# Allegro board 08_041351d.brd (continued)
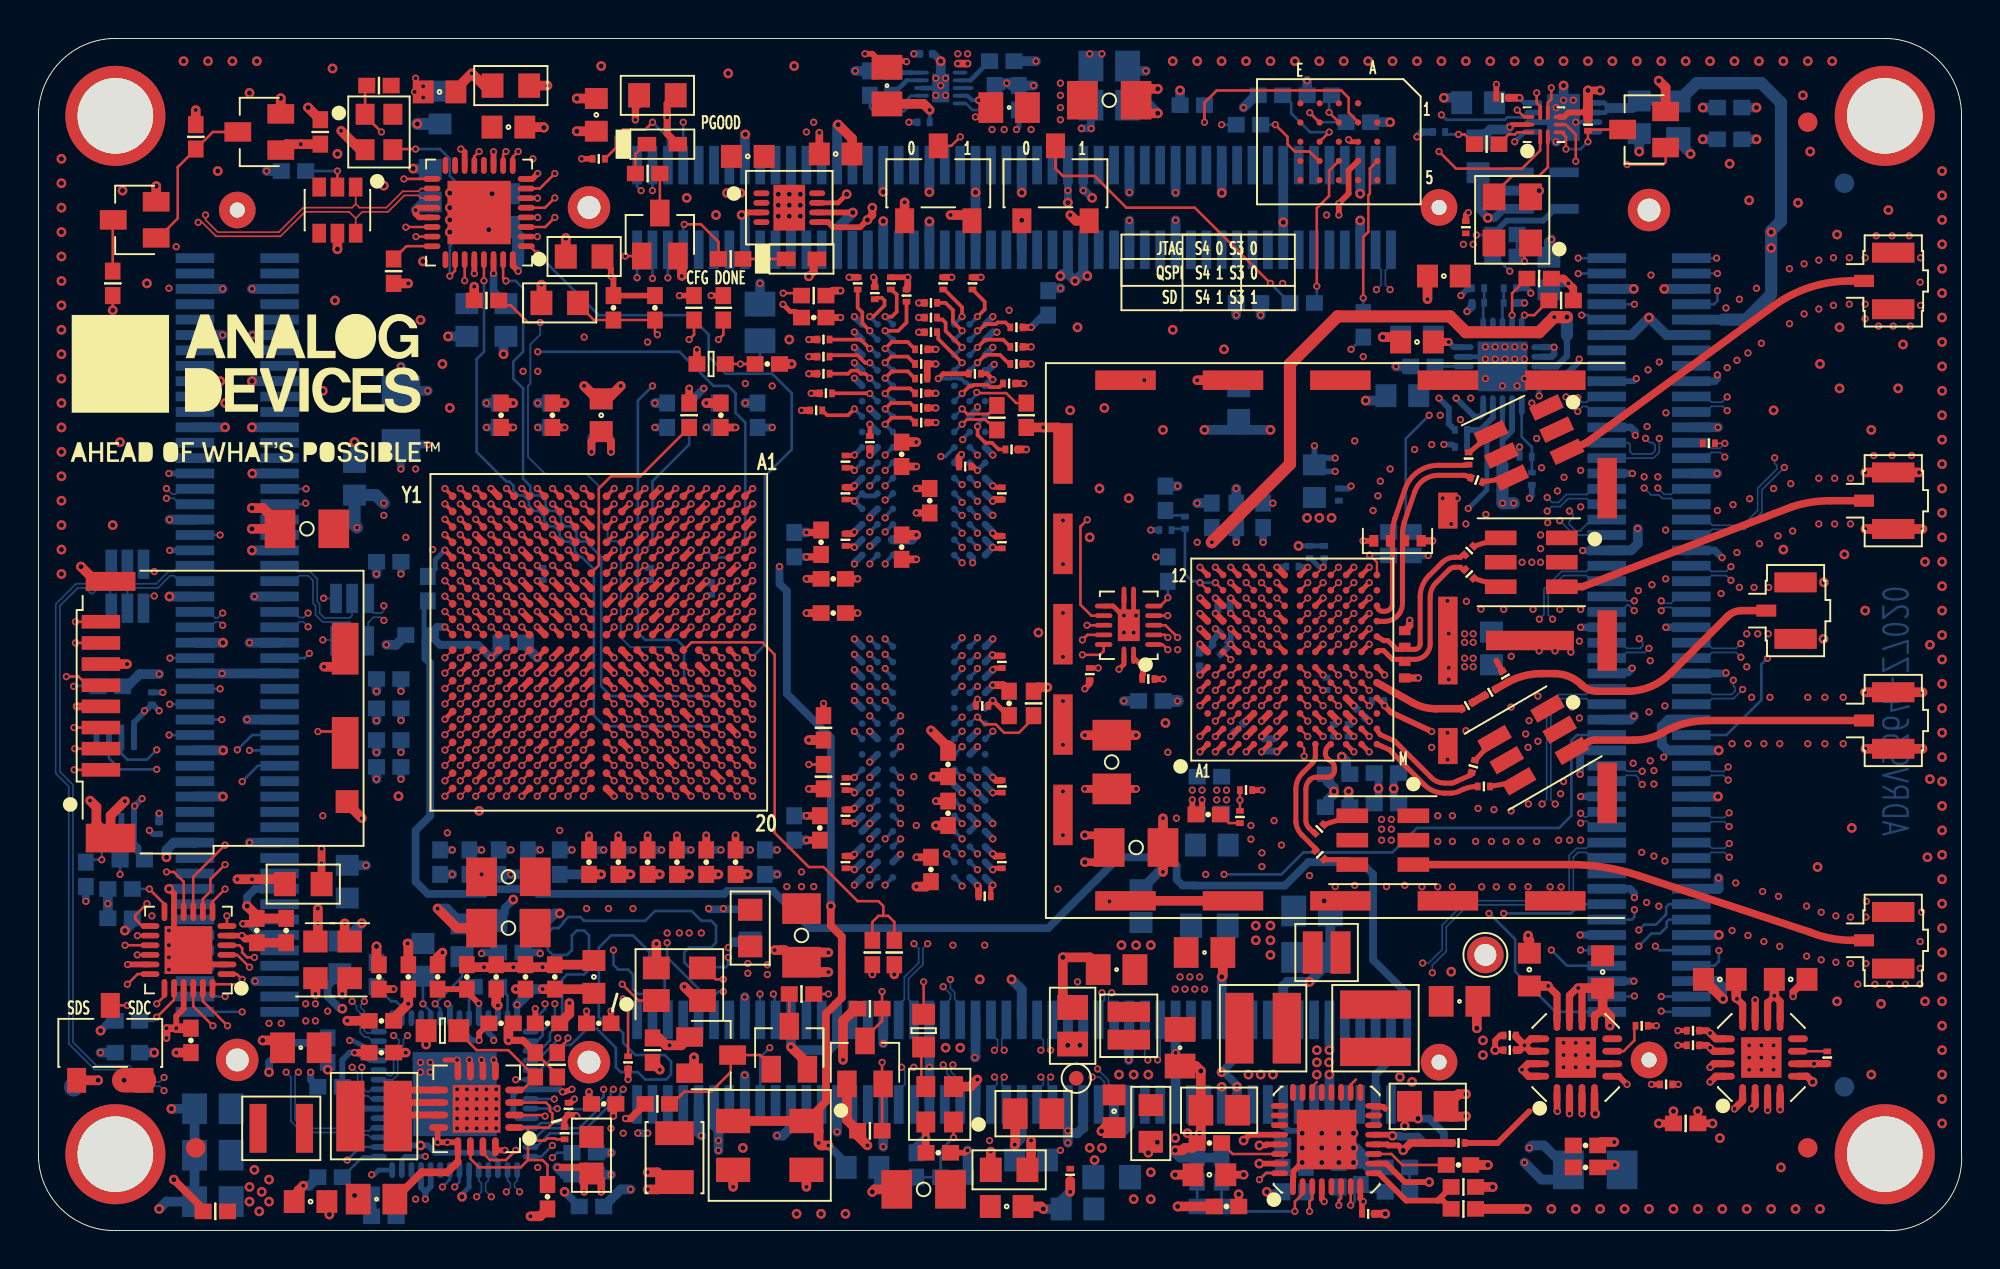
[diagram p0: board, top side]
## Routing (per net, layer and track width the routed paths; a pad name or vN(x,y) marks a point on that pad's centre or on a via; arc(x,y) is an arc through that point) (continued)
  BOTTOM w0.197: v1(43.23,46.79) 43.23,46.73 U3.R2 ; U2.R2 v1(43.23,29.97)
DDR3_A8: length 57.9
  TOP w0.197: U1.K1 v1(29.94,38.59) ; R145.1 49.2,48.3 49.2,47.9 v1(48.83,47.53)
  L6_SIGNAL w0.14: v1(48.83,47.53) 48.45,47.15 47.61,47.15 47.31,46.86 47.31,44.8 47.89,44.21 49.04,44.21 49.41,43.85 49.41,43.84 50.99,42.26 50.99,33.27 48.83,31.1 v1(48.83,30.83)
  L7_SIGNAL w0.14: v1(48.83,30.83) 49.32,30.33 50.74,30.33 51.49,31.08 51.49,32.62 51.74,32.87 53.14,32.87 53.27,33 53.27,33.89 53.14,34.02 50.22,34.02 49.84,34.4 48.75,34.4 48.72,34.37 45.55,34.37 44.88,35.03 42.09,35.03 38.91,38.21 33.77,38.21 33.71,38.15 33,38.15 32.7,38.46 32.7,38.74 32.49,38.95 30.3,38.95 v1(29.94,38.59)
  BOTTOM w0.197: U2.T8 48.83,30.77 v1(48.83,30.83) ; U3.T8 v1(48.83,47.53)
DDR3_A9: length 57.6
  TOP w0.197: v1(44.03,46.79) 44.7,46.79 45.14,47.23 R146.1 ; U1.J4 v1(30.74,36.19)
  L6_SIGNAL w0.14: v1(44.03,46.79) 43.99,46.76 43.99,46.34 43.89,46.23 43.88,46.23 43.66,46.02 43.66,45.79 43.38,45.5 43.16,45.5 43.15,45.49 43.08,45.49 42.86,45.28 42.86,45.21 42.79,45.13 42.79,44.98 42.58,44.77 42.28,44.77 41.98,45.07 41.33,45.07 41.09,44.83 41.09,33.89 42.22,32.76 43.09,32.76 44.65,31.19 44.65,30.51 44.29,30.14 44.2,30.14 v1(44.03,29.97)
  L7_SIGNAL w0.14: v1(30.74,36.19) 30.74,35.9 31.1,35.54 31.1,34.52 31.46,34.15 31.69,34.15 31.97,33.86 31.97,33.64 32.26,33.35 32.49,33.35 32.77,33.06 32.77,32.84 32.99,32.63 33.19,32.63 33.2,32.62 38.1,32.62 39.65,31.07 39.95,31.07 42.34,28.68 42.89,28.68 43.08,28.87 44.5,28.87 44.63,28.99 44.63,29.7 44.76,29.83 44.98,29.83 45.11,29.7 45.11,28.68 45.22,28.57 45.53,28.57 45.65,28.68 45.65,30.33 45.77,30.46 46.03,30.46 46.15,30.33 46.15,28.81 46.28,28.68 46.79,28.68 46.92,28.81 46.92,29.19 46.66,29.45 46.66,30.08 46.92,30.33 46.92,30.78 46.74,30.96 44.63,30.96 44.5,30.83 44.5,30.08 44.39,29.97 v1(44.03,29.97)
  BOTTOM w0.197: U2.R3 v1(44.03,29.97) ; v1(44.03,46.79) 44.03,46.73 U3.R3
DDR3_A10: length 53.5
  TOP w0.197: R147.1 49.97,43.86 49.46,43.86 49.35,43.98 48.62,43.98 48.57,43.92 48.42,43.92 v1(48.03,43.53) ; U1.F5 v1(33.14,35.39)
  L7_SIGNAL w0.14: v1(48.03,26.7) 48.53,27.2 49.78,27.2 49.99,27.42 49.99,27.42 50.09,27.52 50.09,28.05 50.34,28.3 50.98,28.3 51.23,28.05 51.23,27.52 51.49,27.27 51.74,27.27 52,27.52 52,28.41 51.74,28.66 49.84,28.66 49.78,28.73 48.02,28.73 47.4,29.35 47.4,30.68 46.85,31.22 43.36,31.22 43.11,31.48 42.09,31.48 41.71,31.86 41.71,32.87 39.91,34.67 39.78,34.67 39.42,35.03 37.29,35.03 37.29,35.03 33.79,35.03 33.42,35.39 v1(33.14,35.39)
  L12_SIGNAL w0.14: v1(48.03,26.7) 48.59,27.27 48.98,27.27 49.22,27.51 49.22,27.57 49.26,27.61 49.26,27.72 49.48,27.93 49.58,27.93 49.58,27.93 49.96,27.93 50.2,28.18 50.2,40.76 49.72,41.24 48.96,41.24 48.75,41.45 48.68,41.45 48.53,41.6 48.44,41.7 48.44,43.12 v1(48.03,43.53)
  BOTTOM w0.152: U3.L7 v1(48.03,43.53)
  BOTTOM w0.197: U2.L7 47.96,26.7 v1(48.03,26.7)
DDR3_A11: length 58.8
  TOP w0.197: v1(48.03,46.79) 47.55,47.27 47.55,47.86 47.17,48.24 R148.1 ; U1.G4 v1(32.34,36.19)
  L6_SIGNAL w0.14: v1(48.03,29.9) 48.59,30.47 48.98,30.47 49.19,30.68 49.19,30.96 51.26,33.03 51.26,40.01 51.72,40.47 51.72,40.77 51.26,41.23 51.26,43.14 50.43,43.97 50.43,44.1 49.91,44.61 49.08,44.61 48.95,44.48 48,44.48 47.58,44.91 47.58,46.34 48.03,46.79 v1(48.03,46.79)
  L7_SIGNAL w0.14: v1(48.03,29.9) 47.66,30.26 47.66,30.98 47.68,30.99 47.68,31.48 47.42,31.73 45.77,31.73 45.52,31.99 45.52,33.38 45.39,33.51 45.14,33.51 45.01,33.38 45.01,31.73 44.88,31.6 44.63,31.6 44.5,31.73 44.5,33.5 44.38,33.62 44.12,33.62 43.99,33.5 43.99,31.73 43.87,31.6 43.61,31.6 43.49,31.73 43.49,33.26 43.36,33.38 43.1,33.38 42.85,33.13 42.85,32.49 42.98,32.37 42.98,31.98 42.75,31.75 42.45,31.75 42.09,32.11 42.09,33.17 40.29,34.97 40.29,35.18 40.08,35.39 39.86,35.39 39.51,35.75 38.79,35.75 38.66,35.88 38.66,35.92 38.53,36.05 37.9,36.05 37.77,35.92 37.77,35.88 37.64,35.75 33.06,35.75 32.74,36.07 32.74,37.14 32.53,37.35 32.19,37.35 31.97,37.14 31.97,36.82 32.34,36.46 v1(32.34,36.19)
  BOTTOM w0.197: v1(48.03,46.79) 48.03,46.73 U3.R7 ; v1(48.03,29.9) 47.96,29.9 U2.R7
DDR3_A12: length 51.6
  TOP w0.197: v1(48.03,45.13) 46.79,46.37 46.79,46.65 R149.1 ; U1.E4 v1(33.94,36.19)
  L12_SIGNAL w0.14: v1(48.03,45.13) 47.61,45.13 47.17,44.69 47.17,40.52 47.28,40.4 47.28,40.1 47.17,39.99 47.17,32.62 47.3,32.49 48.06,32.49 48.57,31.99 48.57,31.08 48.46,30.98 48.46,28.74 v1(48.03,28.3)
  L13_SIGNAL w0.14: v1(48.03,28.3) 46.53,28.3 46.28,28.05 46.28,27.54 46.53,27.29 48.19,27.29 48.44,27.54 48.44,30.08 48.83,30.47 48.98,30.47 49.27,30.76 49.27,30.92 49.84,31.49 49.84,32.37 49.46,32.75 46.79,32.75 44.5,35.03 41.96,35.03 41.58,35.41 39.3,35.41 38.91,35.03 35.39,35.03 35.17,35.24 35.17,36.11 35.1,36.18 35.1,36.34 34.89,36.55 34.08,36.55 33.94,36.4 v1(33.94,36.19)
  BOTTOM w0.197: U3.N7 v1(48.03,45.13) ; U2.N7 47.96,28.3 v1(48.03,28.3)
DDR3_A13: length 54.7
  TOP w0.197: U1.D4 v1(34.74,36.19) ; v1(44.03,47.53) 44.38,47.53 44.63,47.78 44.63,48.69 R150.1
  L6_SIGNAL w0.14: v1(44.03,47.53) 44.03,47.3 43.66,46.94 43.66,46.72 43.17,46.23 42.64,46.23 42.58,46.29 42.28,46.29 42.21,46.23 41.09,46.23 40.45,45.59 40.45,43.79 40.55,43.69 40.55,43.39 40.45,43.3 40.45,33.12 41.84,31.73 43.11,31.73 44.03,30.81 v1(44.03,30.77)
  L13_SIGNAL w0.14: v1(34.74,36.19) 34.34,35.8 34.34,34.47 34.66,34.15 39.3,34.15 39.55,34.4 42.18,34.4 42.28,34.3 44.6,34.3 46.53,32.37 48.98,32.37 49.2,32.14 49.2,31.83 48.98,31.6 45.65,31.6 45.26,31.22 45.26,30.97 45.52,30.72 47.17,30.72 47.42,30.46 47.42,30.21 47.17,29.95 45.26,29.95 44.45,30.77 v1(44.03,30.77)
  BOTTOM w0.197: U3.T3 v1(44.03,47.53) ; U2.T3 v1(44.03,30.77)
DDR3_A14: length 55.6
  TOP w0.197: v1(48.03,47.53) 48.03,48.02 47.11,48.94 R151.1 ; U1.F4 v1(33.14,36.19)
  L6_SIGNAL w0.14: v1(48.03,47.53) 47.47,47.53 47.04,47.1 47.04,44.69 47.84,43.89 48.58,43.89 48.63,43.95 48.93,43.95 49.15,43.74 49.15,43.73 50.73,42.15 50.73,33.53 v1(48.03,30.83)
  L7_SIGNAL w0.14: v1(48.03,30.83) 48.06,30.86 48.06,31.35 48.31,31.6 48.57,31.6 48.58,31.62 49.2,31.62 49.46,31.87 49.46,32.24 49.2,32.49 49.2,33 49.46,33.26 49.46,33.39 49.08,33.76 48.82,33.76 48.69,33.64 48.69,32.25 48.55,32.11 48.27,32.11 48.13,32.25 48.13,33.64 48.01,33.76 47.7,33.76 47.58,33.64 47.58,32.25 47.44,32.11 47.16,32.11 47.02,32.25 47.02,33.64 46.89,33.76 46.59,33.76 46.46,33.64 46.46,32.25 46.32,32.11 46.04,32.11 45.9,32.25 45.9,33.64 45.7,33.83 45.33,33.83 45.27,33.89 43.23,33.89 42.83,33.48 42.47,33.48 40.01,35.94 39.78,35.94 39.17,36.56 38.79,36.56 38.53,36.81 37.9,36.81 37.64,36.56 33.5,36.56 v1(33.14,36.19)
  BOTTOM w0.197: U2.T7 48.03,30.77 v1(48.03,30.83) ; U3.T7 v1(48.03,47.53)
DDR3_BA0: length 57.4
  TOP w0.197: U1.L5 v1(28.34,35.39) ; v1(43.23,44.33) 43,44.56 42.75,44.56 42.59,44.72 42.26,44.72 42.1,44.56 R152.1
  L7_SIGNAL w0.14: v1(43.23,27.57) 42.98,27.57 42.47,27.06 42.47,27.06 42.34,26.93 41.84,26.93 41.71,27.06 41.71,27.54 41.07,28.18 40.06,28.18 38.3,29.94 38.3,30.21 38.42,30.33 38.91,30.33 39.04,30.21 39.04,30.08 39.17,29.95 39.93,29.95 40.06,29.83 40.06,29.7 39.93,29.57 39.56,29.57 39.42,29.43 39.42,29.32 39.55,29.19 40.57,29.19 40.69,29.06 40.69,28.87 40.64,28.81 40.31,28.81 40.18,28.68 40.31,28.56 41.07,28.56 41.2,28.43 41.45,28.43 41.57,28.54 41.57,28.7 41.48,28.79 41.48,28.79 41.01,29.25 41.01,29.25 39.93,30.34 39.42,30.34 38.97,30.79 38.21,30.79 38.15,30.84 38.15,31.1 38.28,31.22 38.28,31.48 38.16,31.6 37.64,31.6 37.52,31.48 37.52,31.15 37.39,31.03 32.99,31.03 32.77,31.24 32.77,31.52 32.47,31.83 31.39,31.83 31.17,32.04 31.17,32.34 31.29,32.46 31.29,32.62 31.17,32.75 31.04,32.75 30.92,32.63 30.59,32.63 30.37,32.84 30.37,33.14 30.53,33.3 30.53,33.48 30.38,33.64 30.29,33.64 30.09,33.43 29.86,33.43 29.6,33.17 29.35,33.17 29.26,33.26 29.26,33.69 29.63,34.06 29.63,34.38 29.27,34.74 28.7,34.74 28.34,35.1 v1(28.34,35.39)
  L12_SIGNAL w0.14: v1(43.23,44.33) 43.2,44.3 42.91,44.3 42.58,43.97 42.13,43.97 41.84,43.67 41.84,33.64 43.61,31.86 43.61,30.64 43.3,30.33 43.08,30.33 42.86,30.12 42.86,27.93 v1(43.23,27.57)
  BOTTOM w0.197: U3.M2 v1(43.23,44.33) ; U2.M2 v1(43.23,27.57)
DDR3_BA1: length 52.9
  TOP w0.197: U1.R4 v1(25.14,36.19) ; R153.1 50.47,45.07 50,45.54 49.24,45.54 v1(48.83,45.13)
  L7_SIGNAL w0.14: v1(48.83,28.3) 47.66,26.85 47.54,26.46 46.92,25.89 46.57,25.67 44.68,25.53 43.49,25.33 42.14,25.33 39.3,26.27 37.5,28.04 37.5,28.34 37.29,28.55 36.99,28.63 36.77,28.84 36.7,29.14 36.49,29.35 30.59,29.43 30.37,29.64 30.3,29.94 30.09,30.15 30.08,30.15 28.7,31.54 28.7,31.54 28.49,31.75 28.19,31.83 27.97,32.04 27.9,32.34 27.69,32.55 27.36,32.62 27.17,32.84 27.05,33.19 26.93,33.3 26.59,33.43 26.37,33.64 26.3,33.94 26.09,34.15 25.71,34.27 25.57,34.44 25.5,35.54 v1(25.14,36.19)
  L12_SIGNAL w0.14: v1(48.83,45.13) 47.63,43.94 47.63,34.44 49.84,32.24 49.84,31.49 49.27,30.92 49.27,30.12 49.24,30.09 49.24,28.71 v1(48.83,28.3)
  BOTTOM w0.197: U2.N8 48.76,28.3 v1(48.83,28.3) ; U3.N8 v1(48.83,45.13)
DDR3_BA2: length 54.3
  TOP w0.197: v1(44.03,44.33) 44.38,44.69 45.2,44.69 R154.1 ; U1.J5 v1(30.74,35.39)
  L7_SIGNAL w0.14: v1(44.03,27.57) 44.05,27.54 45.52,27.54 45.65,27.67 45.9,27.67 46.03,27.54 46.28,27.54 46.41,27.67 46.66,27.67 46.79,27.54 47.17,27.54 47.3,27.67 47.3,27.91 47.17,28.04 45.24,28.04 45.13,27.93 42.22,27.93 42.22,27.92 42.09,27.79 41.84,27.79 41.68,27.95 41.68,28.15 41.84,28.3 41.84,28.81 39.93,30.72 39.42,30.72 38.03,32.11 37.64,32.11 37.52,31.99 37.52,31.95 37.39,31.83 34.59,31.83 34.55,31.86 34.12,31.86 34.09,31.83 32.99,31.83 32.77,32.04 32.77,32.28 32.51,32.55 32.02,32.55 31.9,32.68 31.9,33.14 31.69,33.35 31.39,33.35 31.2,33.16 31.13,33.16 31.04,33.26 31.04,33.51 31.1,33.57 31.1,33.94 30.89,34.15 30.59,34.15 30.45,34.02 30.28,34.02 30.14,34.16 30.14,34.26 30.28,34.4 30.28,34.43 30.37,34.53 30.37,34.81 30.16,35.03 28.88,35.03 28.75,35.15 28.75,35.55 29,35.8 29.14,35.8 29.26,35.67 29.26,35.41 29.39,35.29 29.43,35.29 29.57,35.43 29.57,35.6 29.77,35.8 30.46,35.8 30.74,35.52 v1(30.74,35.39)
  L12_SIGNAL w0.14: v1(44.03,44.33) 43.62,43.92 43.36,43.92 43.33,43.89 43.08,43.89 42.85,43.67 42.85,41.76 43.74,40.88 43.99,40.88 44.5,40.37 44.5,33.89 44.88,33.51 44.88,28.42 v1(44.03,27.57)
  BOTTOM w0.197: U2.M3 v1(44.03,27.57) ; U3.M3 v1(44.03,44.33)
DDR3_CAS#: length 54.5
  TOP w0.197: v1(44.03,42.73) 44.33,43.03 45.33,43.03 R159.1 ; U1.P5 v1(25.94,35.39)
  L6_SIGNAL w0.14: v1(44.03,42.73) 44.38,42.38 44.38,42.09 44.39,42.08 44.39,38.08 44.51,37.95 46.15,37.95 46.28,37.83 46.28,33.76 46.29,33.75 46.29,27.72 44.83,26.25 v1(44.83,25.97)
  L7_SIGNAL w0.14: v1(25.94,35.39) 25.94,35.1 26.37,34.66 26.37,34.28 26.5,34.15 26.89,34.15 27.17,33.86 27.17,33.64 27.46,33.35 27.69,33.35 27.97,33.06 27.97,32.84 28.26,32.55 28.49,32.55 28.7,32.34 28.7,32.3 29.01,31.99 29.01,31.73 29.96,30.78 30.21,30.78 30.43,30.56 30.43,30.31 30.59,30.15 33.45,30.15 33.58,30.02 33.58,29.83 33.71,29.7 34.22,29.7 34.34,29.83 34.34,29.95 34.54,30.15 34.89,30.15 35.03,30.01 35.21,30.01 35.36,30.15 35.69,30.15 35.86,29.98 36.01,29.98 36.19,30.15 36.53,30.15 36.66,30.03 36.84,30.03 36.96,30.15 37.29,30.15 37.5,29.94 37.5,29.64 37.41,29.55 37.41,29.45 37.54,29.32 37.64,29.32 37.77,29.19 37.77,29.06 37.57,28.87 37.57,28.7 37.77,28.51 37.77,28.18 39.42,26.52 39.56,26.52 39.7,26.66 39.7,26.75 38.14,28.31 38.14,28.49 38.28,28.63 38.46,28.63 40.21,26.88 40.21,26.75 40.06,26.6 40.06,26.44 40.16,26.29 40.66,26.13 41.75,26.13 42.28,25.6 43.5,25.6 43.63,25.63 43.74,25.73 43.74,25.89 43.86,26.02 44.78,26.02 v1(44.83,25.97)
  BOTTOM w0.197: U3.K3 v1(44.03,42.73) ; U2.K3 v1(44.83,25.97)
DDR3_CK_N: length 59.4
  TOP w0.152: U1.M2 v1(27.54,37.79) ; R142.2 49.39,42.46 48.29,42.46 v1(48.03,42.73)
  L6_SIGNAL w0.13: v1(48.03,42.73) 48.14,42.85 48.48,43.19 48.97,43.19 50.22,41.94 50.22,40.6 50.24,40.58 50.24,33.73 49.41,32.9 47.56,32.9 47.35,32.69 47.35,25.97 47.63,25.69 47.75,25.69 v1(48.03,25.97)
  L13_SIGNAL w0.13: v1(27.54,37.79) 27.83,37.79 28.25,38.21 28.73,38.21 29.01,37.93 29.01,36.16 29.52,35.65 29.52,30.95 30,30.46 31.17,30.46 31.74,31.03 32.18,31.03 32.75,30.46 32.92,30.46 33.48,31.03 33.9,31.03 34.47,30.46 39.04,30.46 40.06,29.45 40.06,28.7 39.68,28.33 39.68,28.03 40.94,26.77 41.84,26.77 42.07,26.54 42.07,25.82 42.09,25.8 42.09,25.62 42.73,24.98 43.4,24.98 43.68,25.25 44.23,25.25 44.68,24.81 45.96,24.81 46.04,24.88 46.24,25.09 46.28,25.13 46.34,25.19 46.9,25.75 47.12,25.97 v1(48.03,25.97)
  BOTTOM w0.152: U3.K7 v1(48.03,42.73) ; U2.K7 v1(48.03,25.97)
DDR3_CK_P: length 60.3
  TOP w0.152: U1.L2 v1(28.34,37.79) ; R142.1 49.21,42.18 48.28,42.18 v1(48.03,41.93)
  L6_SIGNAL w0.13: v1(48.03,25.17) 47.75,25.44 47.52,25.44 47.09,25.86 47.09,32.8 47.45,33.16 49.3,33.16 49.98,33.84 49.98,40.48 49.96,40.5 49.96,41.84 49.3,42.5 49,42.5 48.97,42.47 48.39,42.47 48.19,42.27 48.19,42.09 v1(48.03,41.93)
  L13_SIGNAL w0.13: v1(48.03,25.17) 47.81,25.38 47.81,25.58 47.68,25.71 47.23,25.71 47.07,25.55 47.07,25.23 47.45,24.85 47.45,24.67 47.3,24.52 47.12,24.52 46.69,24.95 46.46,24.95 46.22,24.7 46.07,24.55 44.57,24.55 44.13,25 43.78,25 43.51,24.72 42.62,24.72 41.83,25.51 41.83,25.69 41.81,25.71 41.81,26.44 41.74,26.51 40.83,26.51 39.42,27.92 39.42,28.43 39.8,28.81 39.8,29.34 38.93,30.21 34.36,30.21 33.79,30.78 33.59,30.78 33.02,30.21 32.64,30.21 32.07,30.78 31.84,30.78 31.28,30.21 29.9,30.21 29.26,30.84 29.26,35.54 28.75,36.05 28.75,37.83 28.63,37.95 28.5,37.95 v1(28.34,37.79)
  BOTTOM w0.152: U3.J7 v1(48.03,41.93) ; U2.J7 v1(48.03,25.17)
DDR3_CKE: length 58.2
  TOP w0.197: R160.1 49.93,40.62 49.58,40.97 49.24,40.97 48.83,41.37 v1(48.83,41.82) ; U1.N3 v1(26.74,36.99)
  L7_SIGNAL w0.14: v1(26.74,36.99) 26.45,36.99 26.01,36.55 24.82,36.55 24.7,36.43 24.7,36.04 24.69,36.03 24.69,35.54 24.7,35.54 24.7,35.24 24.69,35.23 24.69,34.74 24.7,34.74 24.7,34.44 24.69,34.43 24.69,34.28 24.82,34.15 25.29,34.15 25.5,33.94 25.5,33.59 25.74,33.35 26.09,33.35 26.3,33.14 26.3,32.92 26.66,32.55 26.89,32.55 27.1,32.34 27.1,32.12 27.46,31.75 27.69,31.75 27.9,31.54 27.9,31.32 29.79,29.43 30.04,29.43 30.37,29.1 30.37,28.84 30.59,28.63 36.49,28.63 36.77,28.34 36.77,28.04 37.06,27.75 37.29,27.75 37.5,27.54 37.5,27.31 40,24.8 48.24,24.8 48.46,25.03 48.46,25.32 48.68,25.53 48.97,25.53 49.4,25.97 v1(49.63,25.97)
  L12_SIGNAL w0.14: v1(48.83,41.82) 48.83,42.15 48.96,42.27 50.6,42.27 50.98,41.89 50.98,39.99 50.47,39.48 50.47,27.79 49.63,26.95 v1(49.63,25.97)
  BOTTOM w0.197: U3.K9 48.83,41.94 v1(48.83,41.82) ; U2.K9 v1(49.63,25.97)
DDR3_CS#: length 57.8
  TOP w0.197: v1(43.23,43.53) 43.21,43.54 R163.1 ; U1.N1 v1(26.74,38.59)
  L6_SIGNAL w0.14: v1(43.23,26.77) 42.86,27.13 42.86,27.72 43.09,27.94 43.38,27.94 43.59,28.15 43.59,28.37 43.88,28.66 44.1,28.66 45.45,30.02 45.45,31.67 42.82,34.3 42.28,34.3 41.89,34.69 41.89,42.7 42.35,43.16 42.73,43.16 43,43.43 43.13,43.43 v1(43.23,43.53)
  L13_SIGNAL w0.14: v1(43.23,26.77) 43.59,26.4 44.15,26.4 44.46,26.71 44.46,26.92 44.68,27.13 45.01,27.13 45.14,27.25 45.14,27.8 45.01,27.93 43.88,27.93 43.66,27.72 43.66,27.47 43.36,27.16 42.09,27.16 40.82,28.43 40.82,29.57 38.79,31.6 38.15,31.6 37.57,31.03 34.59,31.03 34.37,31.24 34.37,31.46 34.09,31.75 31.39,31.75 31.17,31.54 31.17,31.48 31.17,31.48 31.17,30.97 31.04,30.84 30.53,30.84 30.3,31.08 30.3,35.54 30.09,35.75 29.86,35.75 29.57,36.04 29.57,36.24 29.31,36.5 29.31,38.13 28.34,39.1 27.23,39.1 26.74,38.6 v1(26.74,38.59)
  BOTTOM w0.197: U2.L2 v1(43.23,26.77) ; U3.L2 v1(43.23,43.53)
DDR3_DM0: length 30.3
  TOP w0.197: U1.A1 v1(37.14,38.59)
  L12_SIGNAL w0.14: v1(37.14,38.59) 37.14,38.84 37.26,38.97 40.58,38.97 40.7,38.84 40.7,34.16 40.97,33.9 40.97,32.22 41.96,31.22 41.96,25.76 42.22,25.51 43.97,25.51 44.73,24.75 47.55,24.75 47.68,24.62 47.68,23.71 47.55,23.58 47.3,23.58 47.17,23.46 47.17,20.81 47.3,20.68 47.83,20.68 48.03,20.88 v1(48.03,21.17)
  BOTTOM w0.197: U2.E7 v1(48.03,21.17)
DDR3_DM1: length 32.7
  TOP w0.197: U1.F1 v1(33.14,38.59)
  L12_SIGNAL w0.14: v1(33.14,38.59) 33.5,38.95 34.09,38.95 34.3,38.74 34.3,38.56 34.37,38.48 34.37,38.44 34.59,38.23 34.63,38.23 34.71,38.15 34.89,38.15 35.1,37.94 35.1,37.56 34.96,37.43 33.69,37.43 33.57,37.31 33.57,36.84 33.86,36.55 34.09,36.55 34.3,36.34 34.3,36.04 34.26,36 34.26,35.57 34.3,35.54 34.3,31.32 34.37,31.24 35.04,30.58 35.34,30.58 35.97,29.94 35.97,29.64 36.19,29.43 36.41,29.43 36.77,29.06 36.77,28.84 36.99,28.63 37.29,28.63 37.34,28.68 37.48,28.68 39.09,30.29 39.59,30.29 40.3,29.59 40.3,27.78 40.19,27.67 40.19,27.15 40.3,27.05 40.3,26.38 39.68,25.76 39.68,24.07 42.22,21.53 43.4,21.53 44.03,20.9 v1(44.03,20.37)
  BOTTOM w0.197: U2.D3 v1(44.03,20.37)
DDR3_DM2: length 30.5
  TOP w0.197: U1.T1 v1(24.34,38.59)
  L15_SIGNAL w0.14: v1(24.34,38.59) 24.77,38.15 26.81,38.15 27.1,38.44 27.1,39.35 27.22,39.48 30.27,39.48 30.41,39.33 30.64,39.33 30.78,39.48 38.28,39.48 40.19,37.57 42.58,37.57 42.64,37.63 44.69,37.63 45.01,37.95 45.77,37.95 46.28,38.46 46.28,39.73 46.41,39.86 47.17,39.86 47.3,39.73 47.3,38.21 47.55,37.95 47.94,37.95 v1(48.03,37.87)
  BOTTOM w0.197: U3.E7 48.03,37.93 v1(48.03,37.87)
DDR3_DM3: length 30.3
  TOP w0.197: U1.Y1 v1(21.14,38.59)
  L7_SIGNAL w0.14: v1(44.03,37.07) 42.72,38.37 42.28,38.37 42.06,38.58 42.06,39.03 40.34,40.75 38.69,42.4 30.78,42.4 30.64,42.54 30.64,42.64 30.5,42.78 30.22,42.78 30.08,42.64 30.08,42.54 29.94,42.4 29.66,42.4 29.52,42.54 29.52,42.78 29.4,42.91 29.09,42.91 28.96,42.78 28.96,42.54 28.82,42.4 28.55,42.4 28.41,42.54 28.41,42.64 28.27,42.78 27.99,42.78 27.85,42.64 27.85,42.54 27.71,42.4 25.96,42.4 24.31,40.75 22.28,40.75 21.14,39.61 v1(21.14,38.59)
  BOTTOM w0.197: U3.D3 44.03,37.13 v1(44.03,37.07)
DDR3_DQ0: length 30.5
  TOP w0.197: U1.C3 v1(35.54,36.99)
  L6_SIGNAL w0.14: v1(44.83,21.17) 45.36,20.63 47.42,20.63 47.55,20.76 47.55,21.44 47.42,21.57 44.63,21.57 43.86,20.8 41.59,20.8 39.04,23.35 39.04,27.16 38.43,27.77 38.43,31.41 37.29,32.55 36.44,32.55 36.37,32.63 36.19,32.63 35.97,32.84 35.97,36.58 35.56,36.99 v1(35.54,36.99)
  BOTTOM w0.197: U2.E3 v1(44.83,21.17)
DDR3_DQ1: length 30.3
  TOP w0.197: v1(36.34,36.99) U1.B3
  L16_SIGNAL w0.14: v1(36.34,36.99) 36.34,36.98 36.76,36.56 39.04,36.56 39.42,36.18 39.42,31.73 39.68,31.48 41.71,31.48 41.84,31.35 41.84,29.06 41.71,28.94 39.68,28.94 39.42,28.68 39.42,28.05 41.96,25.51 41.96,22.71 42.34,22.33 45.65,22.33 46.15,22.84 47.17,22.84 48.03,21.98 v1(48.03,21.97)
  BOTTOM w0.197: U2.F7 v1(48.03,21.97)
DDR3_DQ2: length 30.4
  TOP w0.197: U1.A2 v1(37.14,37.79)
  L6_SIGNAL w0.14: v1(43.23,21.97) 42.79,22.4 42.28,22.4 41.04,23.65 41.04,26.18 38.96,28.26 38.96,31.69 37.78,32.86 37.78,33.51 37.52,33.78 37.52,38.21 37.64,38.34 37.84,38.34 37.94,38.24 37.94,36.18 38.07,36.05 38.36,36.05 38.48,36.18 38.48,38.52 37.8,39.2 36.43,39.2 35.97,38.74 35.97,38.36 36.19,38.15 36.77,38.15 v1(37.14,37.79)
  BOTTOM w0.197: U2.F2 v1(43.23,21.97)
DDR3_DQ3: length 30.2
  TOP w0.197: U1.A4 v1(37.14,36.19)
  L16_SIGNAL w0.14: v1(48.83,21.97) 48.43,21.57 41.96,21.57 41.45,22.08 41.45,25 39.04,27.41 39.04,29.19 39.3,29.45 41.33,29.45 41.45,29.57 41.45,30.97 41.33,31.1 39.3,31.1 39.04,31.35 39.04,36.05 38.9,36.19 v1(37.14,36.19)
  BOTTOM w0.197: U2.F8 v1(48.83,21.97)
DDR3_DQ4: length 30.3
  TOP w0.197: U1.D3 v1(34.74,36.99)
  L6_SIGNAL w0.14: v1(34.74,36.99) 34.74,37.19 34.97,37.43 34.97,37.51 35.1,37.64 35.1,37.94 35.39,38.23 35.61,38.23 35.9,37.94 35.9,37.7 36.17,37.43 36.5,37.43 36.76,37.17 36.76,33.64 37.01,33.38 37.39,33.38 37.52,33.26 37.52,32.75 38.53,31.73 38.54,31.73 38.69,31.58 38.69,28.02 39.42,27.29 39.42,24.24 42.09,21.57 43.61,21.57 43.74,21.7 43.74,22.59 43.87,22.71 44.25,22.71 44.38,22.59 44.38,22.46 44.5,22.33 46.15,22.33 46.28,22.46 46.28,22.97 46.15,23.1 45.3,23.1 v1(44.83,23.57)
  BOTTOM w0.197: U2.H3 v1(44.83,23.57)
DDR3_DQ5: length 30.2
  TOP w0.197: U1.D1 34.34,38.19 34.74,38.58 v1(34.74,38.59)
  L6_SIGNAL w0.14: v1(34.74,38.59) 34.74,39.36 35.1,39.73 38.41,39.73 39.02,39.12 39.02,32.9 39.14,32.77 39.42,32.77 39.55,32.65 39.55,30.84 39.8,30.59 40.82,30.59 41.57,29.84 41.57,25.78 42.22,25.13 43.23,25.13 43.99,24.37 46.41,24.37 47.57,23.2 48.46,23.2 v1(48.83,23.57)
  BOTTOM w0.197: U2.H8 v1(48.83,23.57)
DDR3_DQ6: length 30.4
  TOP w0.197: U1.C1 v1(35.54,38.59)
  L6_SIGNAL w0.14: v1(35.54,38.59) 35.54,39.2 35.8,39.47 37.91,39.47 38.75,38.63 38.75,35.5 38.05,34.8 38.05,32.98 39.23,31.8 39.23,28.5 39.42,28.3 40.57,28.3 40.69,28.43 40.69,29.19 40.57,29.32 40.06,29.32 39.93,29.45 39.93,29.7 40.18,29.95 41.05,29.95 41.3,29.7 41.3,24.52 41.72,24.1 42.74,24.1 42.85,23.98 43.49,23.98 43.59,23.88 43.59,23.13 v1(43.23,22.77)
  BOTTOM w0.197: U2.G2 v1(43.23,22.77)
DDR3_DQ7: length 30.6
  TOP w0.197: U1.E1 v1(33.94,38.59)
  L6_SIGNAL w0.14: v1(48.03,23.57) 48.19,23.57 48.31,23.69 48.31,24.62 48.19,24.75 44.25,24.75 43.49,25.51 42.22,25.51 41.84,25.89 41.84,30.33 41.14,31.03 41.14,31.48 39.28,33.33 39.28,39.24 38.41,40.11 34.72,40.11 33.94,39.33 v1(33.94,38.59)
  BOTTOM w0.197: U2.H7 v1(48.03,23.57)
DDR3_DQ8: length 33.1
  TOP w0.197: U1.E2 v1(33.94,37.79)
  L6_SIGNAL w0.14: v1(33.94,37.79) 34,37.79 34.34,37.45 34.37,37.41 34.37,36.04 34.59,35.83 34.95,35.83 35.1,35.67 35.17,35.6 35.17,32.04 35.46,31.75 37.5,31.75 38.16,31.09 38.16,27.54 38.41,27.29 38.41,23.35 39.82,21.93 40.08,21.93 40.29,21.72 40.29,21.59 41.96,19.93 47.05,19.93 47.08,19.95 49.11,19.95 49.21,20.05 49.21,20.55 49.07,20.68 48.34,20.68 v1(48.03,20.37)
  BOTTOM w0.197: U2.D7 v1(48.03,20.37)
DDR3_DQ9: length 32.9
  TOP w0.197: U1.E3 v1(33.94,36.99)
  L12_SIGNAL w0.14: v1(44.83,20.37) 45.26,20.8 45.26,21.32 45.48,21.53 45.73,21.53 45.89,21.37 46.08,21.37 46.17,21.46 46.17,21.49 46.15,21.5 46.15,22.84 46.03,22.97 45.52,22.97 45.39,22.84 45.39,21.95 45.01,21.57 44.25,21.57 44.12,21.7 43.99,21.7 43.59,22.11 43.59,22.12 43.38,22.33 41.84,22.33 40.57,23.6 40.57,27.16 40.46,27.26 40.46,27.56 40.57,27.67 40.57,29.83 39.42,30.97 38.79,30.97 38.53,30.72 38.53,30.46 37.5,29.43 36.99,29.43 36.77,29.64 36.77,29.88 36.39,30.27 36.35,30.27 35.77,30.84 35.3,30.84 35.1,31.04 35.1,36.18 35.1,36.18 35.1,36.34 34.89,36.55 34.66,36.55 34.22,36.99 v1(33.94,36.99)
  BOTTOM w0.197: U2.C3 v1(44.83,20.37)
DDR3_DQ10: length 33
  TOP w0.197: U1.G3 v1(32.34,36.99)
  L12_SIGNAL w0.14: v1(48.83,19.59) 48.46,19.95 47.08,19.95 47.04,19.92 44.98,19.92 44.98,19.93 44.68,19.93 44.67,19.92 43.87,19.92 43.66,20.12 43.66,20.5 43.44,20.73 42.34,20.73 40.46,22.61 39.91,22.61 39.7,22.82 39.7,23.37 39.41,23.66 39.41,25.87 39.92,26.39 39.92,28.18 39.3,28.81 38.27,28.81 37.29,27.83 36.99,27.83 36.77,28.04 36.77,28.34 36.49,28.63 36.19,28.63 35.97,28.84 35.97,29.14 35.69,29.43 35.39,29.43 35.17,29.64 35.17,29.88 34.03,31.03 33.79,31.03 33.5,31.32 33.5,36.34 33.28,36.55 32.95,36.55 32.51,36.99 v1(32.34,36.99)
  BOTTOM w0.197: v1(48.83,19.59) 48.8,19.59 U2.C8
DDR3_DQ11: length 32.7
  TOP w0.197: U1.H3 v1(31.54,36.99)
  L12_SIGNAL w0.14: v1(31.54,36.99) 31.54,36.7 31.68,36.55 31.69,36.55 31.9,36.34 31.9,36.34 31.93,36.3 31.93,31.22 31.55,30.84 31.55,30.59 31.68,30.46 32.06,30.46 32.37,30.15 32.63,30.15 32.97,30.49 33.17,30.49 33.58,30.08 33.58,29.22 33.5,29.14 33.5,28.92 33.79,28.63 34.98,28.63 35.1,28.5 35.1,27.55 35.1,27.54 35.1,27.32 35.39,27.03 35.61,27.03 35.9,26.74 35.9,26.52 36.19,26.23 37.29,26.23 37.5,26.44 37.5,26.61 37.64,26.76 38.42,26.76 38.66,26.52 38.66,23.1 39.8,21.95 40.18,21.95 40.31,21.83 40.31,21.44 40.52,21.23 41.08,21.23 42.06,20.25 42.06,19.42 42.32,19.16 42.6,19.16 42.86,18.89 42.86,18.62 43.08,18.4 43.58,18.4 43.77,18.59 44.06,18.59 44.25,18.78 44.25,19.16 44.12,19.29 43.51,19.29 v1(43.23,19.57)
  BOTTOM w0.197: U2.C2 v1(43.23,19.57)
DDR3_DQ12: length 32.9
  TOP w0.197: U1.J3 v1(30.74,36.99)
  L12_SIGNAL w0.14: v1(30.74,36.99) 30.3,36.55 30.3,30.95 30.89,30.15 31.1,29.94 31.1,29.72 31.39,29.43 31.61,29.43 31.9,29.14 31.9,28.92 32.19,28.63 32.41,28.63 32.7,28.34 32.7,28.12 32.99,27.83 33.21,27.83 33.5,27.54 33.5,27.32 33.79,27.03 34.01,27.03 34.3,26.74 34.3,26.52 34.59,26.23 34.81,26.23 35.1,25.94 35.1,25.72 35.39,25.43 35.61,25.43 35.9,25.14 35.9,24.92 36.19,24.63 36.41,24.63 36.77,24.26 36.77,24.04 37.06,23.75 37.29,23.75 37.5,23.54 37.5,23.5 37.52,23.48 39.42,20.17 41.99,17.6 43.38,17.6 43.59,17.82 43.59,17.86 43.66,17.94 43.66,18.12 43.88,18.33 47.62,18.33 48,17.95 48,17.94 v1(48.03,17.91)
  BOTTOM w0.197: v1(48.03,17.91) 48.03,17.97 U2.A7
DDR3_DQ13: length 32.9
  TOP w0.197: U1.H2 v1(31.54,37.79)
  L12_SIGNAL w0.14: v1(31.54,37.79) 31.54,37.69 31.17,37.32 31.17,30.59 31.61,30.15 31.69,30.15 31.9,29.94 31.9,29.72 32.19,29.43 32.41,29.43 32.7,29.14 32.7,28.92 32.99,28.63 33.21,28.63 33.5,28.34 33.5,28.12 33.79,27.83 34.01,27.83 34.3,27.54 34.3,27.32 34.59,27.03 34.81,27.03 35.1,26.74 35.1,26.52 35.39,26.23 35.61,26.23 35.9,25.94 35.9,25.72 36.19,25.43 36.41,25.43 36.7,25.14 36.7,24.92 36.99,24.63 37.21,24.63 37.5,24.34 37.5,24.1 37.61,23.98 37.78,23.98 37.9,24.1 37.9,24.75 37.64,25 37.64,26.02 37.77,26.14 38.27,26.14 38.39,26.02 38.39,22.85 39.3,21.95 39.3,21.57 39.93,20.94 40.82,20.94 41.71,20.05 41.71,18.78 42.09,18.4 42.6,18.4 43.03,17.97 v1(43.23,17.97)
  BOTTOM w0.197: U2.A2 v1(43.23,17.97)
